# KiCad board Stream.kicad_pcb (continued)
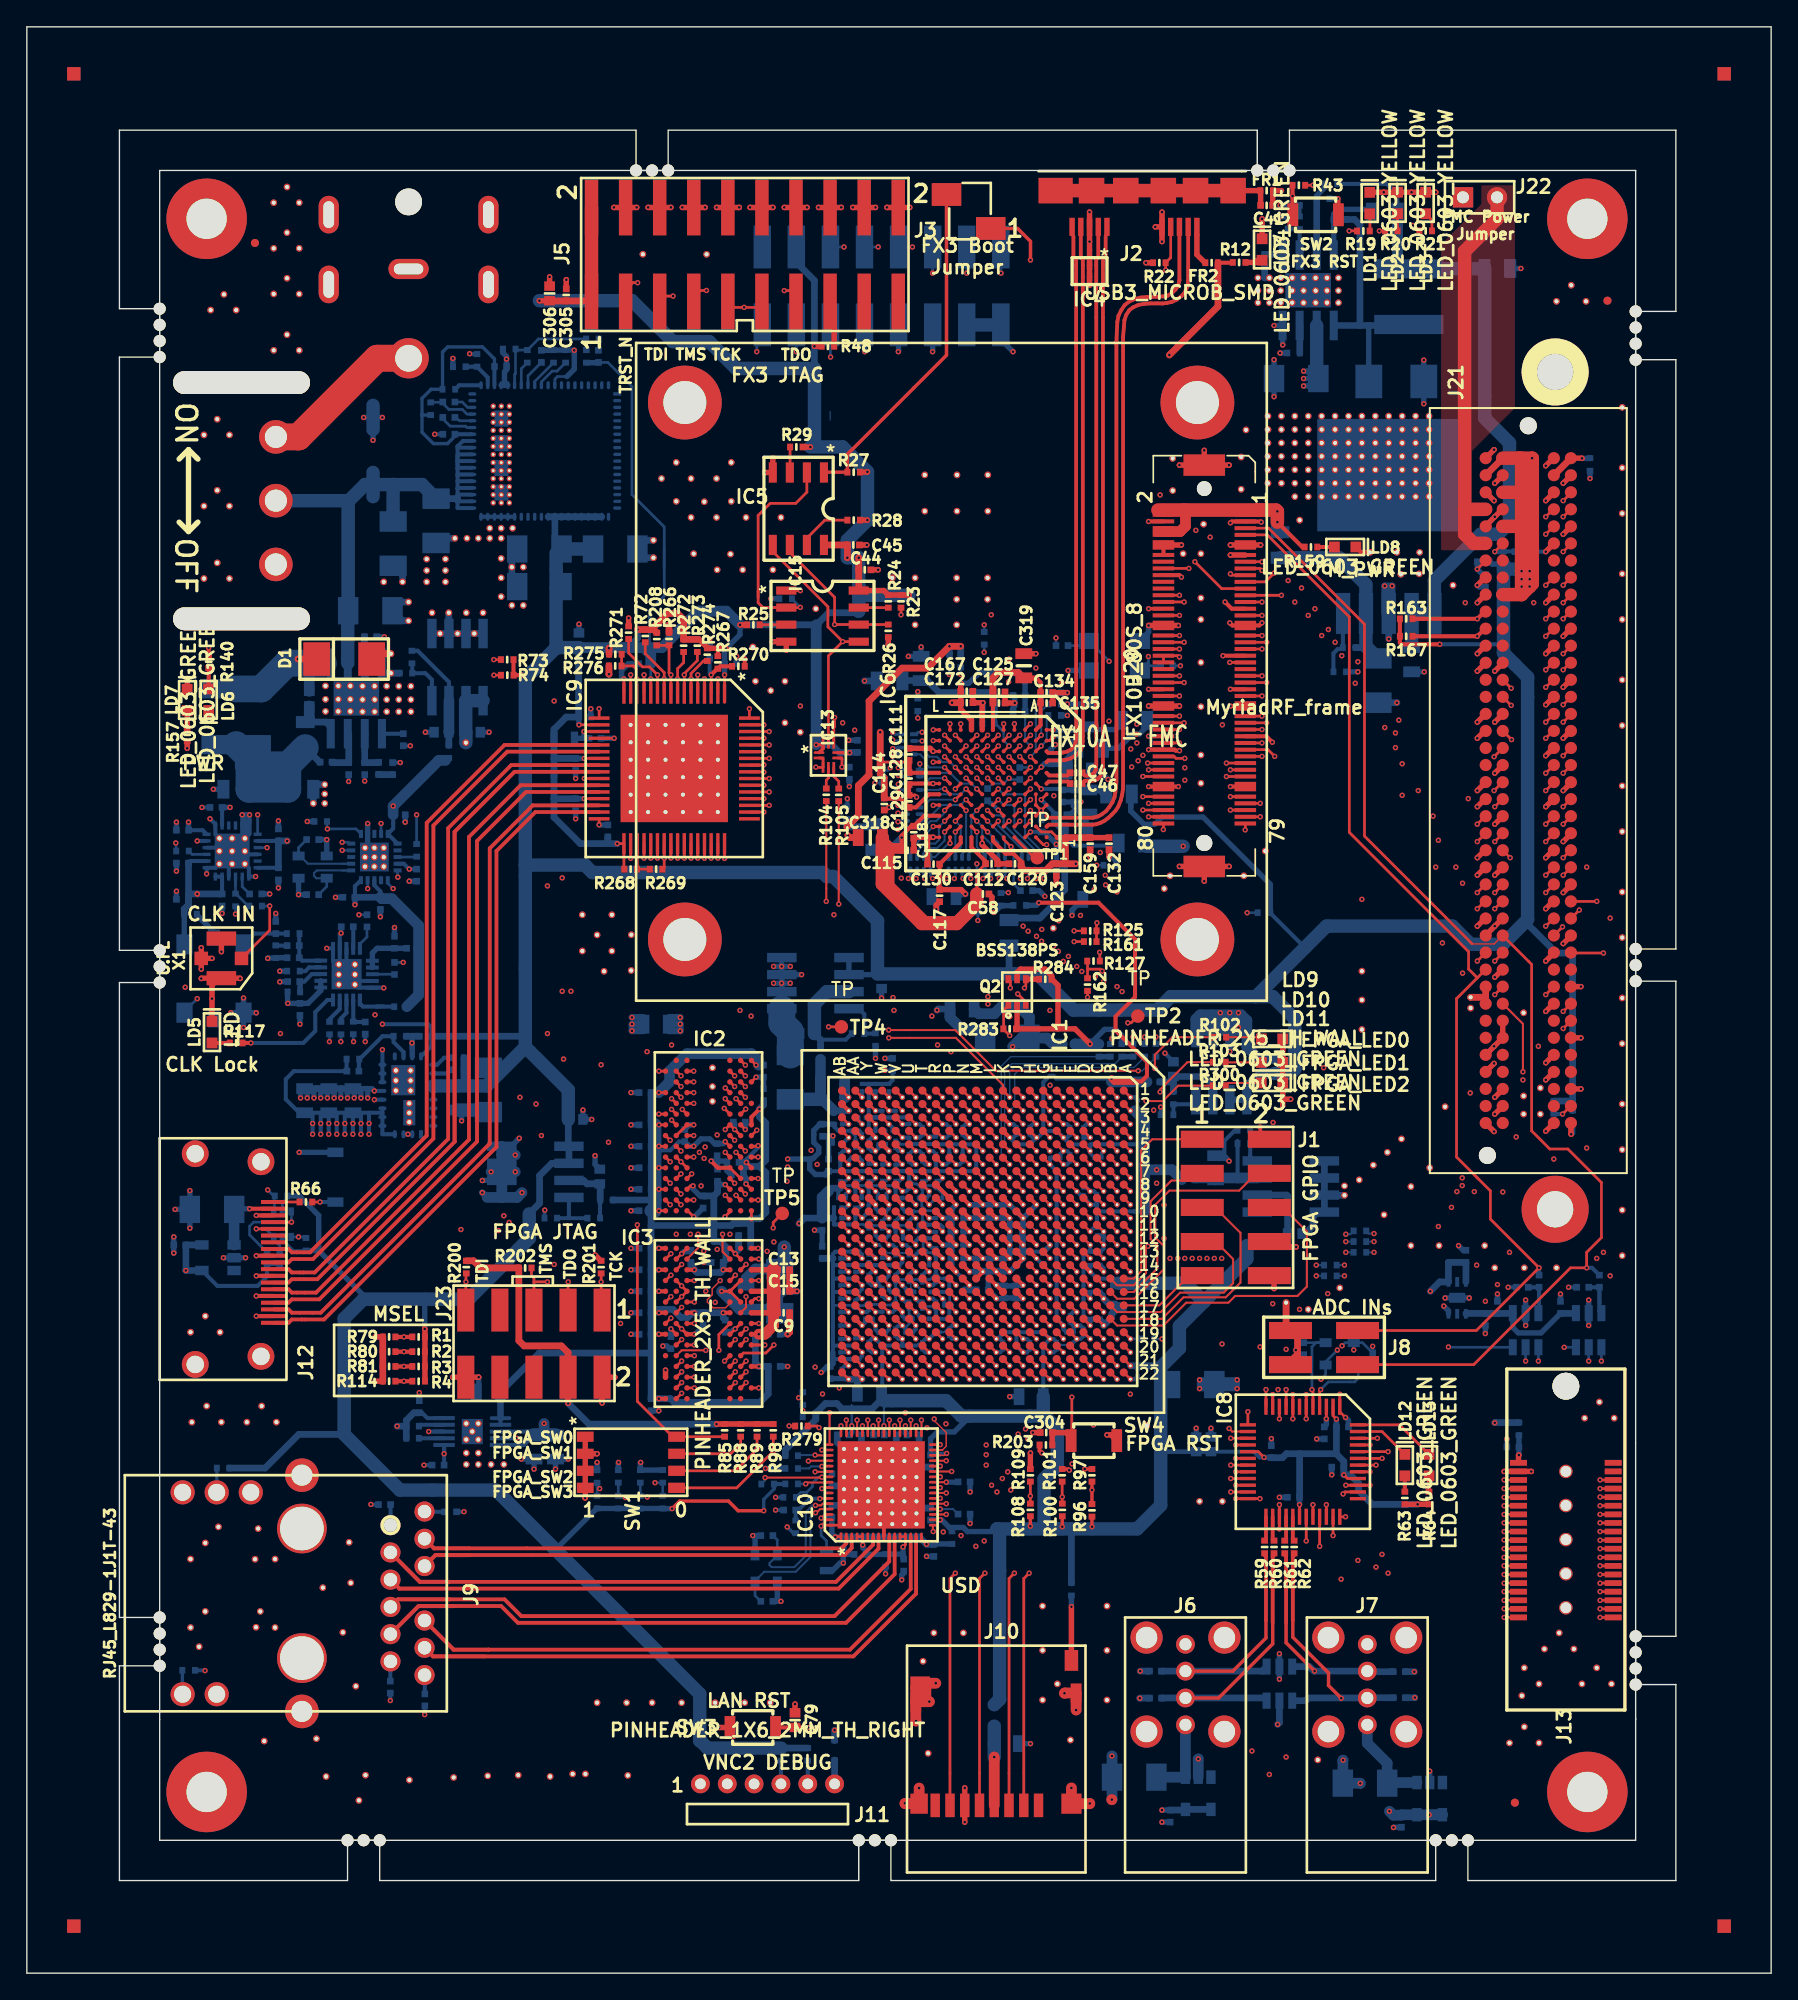
[diagram p0: board, top side]
## Placement (name value [footprint] x y rotation side) (continued)
R72  4K7_0402  [R_SM0402]  46.09 99.62 90 top
R73  4K7_0402  [R_SM0402]  35.8 97.86 0 top
R74  4K7_0402  [R_SM0402]  35.81 96.7 0 top
R75  10K_0402  [R_SM0402]  57 36.45 180 bottom
R76  4K7_0402  [R_SM0402]  57 38.55 0 bottom
R77  4K7_0402  [R_SM0402]  57 37.6 0 bottom
R78  10K_0402  [R_SM0402]  113.8 64.5 90 bottom
R79  0R_0402  [R_SM0402]  27 47.4 0 top
R80  0R_0402  [R_SM0402]  27 46.3 0 top
R81  0R_0402  [R_SM0402]  27 45.2 0 top
R82  4K99_0603  [R_SM0603]  59.6 30.75 90 bottom
R83  220R_0402  [R_SM0402]  14.63 37.63 0 bottom
R84  10K_0402_NF  [R_SM0402]  55.21 36.44 180 bottom
R85  10K_0402  [R_SM0402]  52 40.44 90 top
R86  10K_0402_NF  [R_SM0402]  47.38 35.09 90 bottom
R87  1K_0402  [R_SM0402]  47.39 37.01 270 bottom
R88  10K_0402  [R_SM0402]  53.2 40.44 90 top
R89  10K_0402  [R_SM0402]  54.42 40.44 90 top
R90  10K_0402_NF  [R_SM0402]  45.72 35.08 90 bottom
R91  1K_0402  [R_SM0402]  45.72 37.01 270 bottom
R92  10K_0402_NF  [R_SM0402]  44.07 35.09 90 bottom
R93  1K_0402  [R_SM0402]  44.08 37.01 270 bottom
R94  10K_0402  [R_SM0402]  42.5 35.09 90 bottom
R95  1K_0402_NF  [R_SM0402]  42.5 37 270 bottom
R96  10K_0402_NF  [R_SM0402]  79.38 34.48 90 top
R97  1K_0402  [R_SM0402]  79.38 37.09 270 top
R98  10K_0402  [R_SM0402]  55.63 40.44 90 top
R99  100R_0402_1%  [R_SM0402]  90.7 62.8 180 bottom
R100  10K_0402_NF  [R_SM0402]  77.17 34.51 90 top
R101  1K_0402  [R_SM0402]  77.16 37.09 270 top
R102  22R_0402  [R_SM0402]  88.91 69.73 0 top
R103  22R_0402  [R_SM0402]  88.87 67.87 180 top
R104  0R_0402_NF  [R_SM0402]  59.58 87.79 90 top
R105  0R_0402_NF  [R_SM0402]  60.51 87.78 90 top
R106  10K_0402_NF  [R_SM0402]  58.3 41.44 180 bottom
R107  1K_0402  [R_SM0402]  57.83 42.81 270 bottom
R108  10K_0402_NF  [R_SM0402]  74.79 34.51 90 top
R109  1K_0402  [R_SM0402]  74.79 37.09 270 top
R110  1K_0402  [R_SM0402]  56.85 35.45 0 bottom
R111  470R_0402  [R_SM0402]  19.85 77.45 180 bottom
R112  330R_0402  [R_SM0402]  18.55 76.1 270 bottom
R113  0R_0402  [R_SM0402]  31.45 91 270 bottom
R114  0R_0402  [R_SM0402]  27 44.1 0 top
R115  2K2_0402  [R_SM0402]  56.55 102.4 180 bottom
R116  10R_0402  [R_SM0402]  19.9 73.1 0 bottom
R117  470R_0402  [R_SM0402]  15.6 69.3 0 top
R118  0R_0402  [R_SM0402]  12.2 78.9 180 bottom
R119  0R_0402_NF  [R_SM0402]  29.05 83.65 270 bottom
R120  1K_0402  [R_SM0402]  27.85 72 180 bottom
R121  10K_0402  [R_SM0402]  19.87 74.65 0 bottom
R122  47R_0402  [R_SM0402]  24.33 70.42 90 bottom
R123  47R_0402  [R_SM0402]  23.41 70.41 90 bottom
R124  47R_0402  [R_SM0402]  22.56 70.41 90 bottom
R125  0R_0402_NF  [R_SM0402]  79.25 77.65 180 top
R126  56R_0201  [SM0201]  62.75 55.75 90 bottom
R127  0R_0402_NF  [R_SM0402]  79.5 75.4 0 top
R128  22R_0402  [R_SM0402]  12.06 22.56 180 bottom
R129  10K_0402  [R_SM0402]  77.85 28.6 270 bottom
R130  15K8_0402  [SMD0402]  25.61 99.56 0 bottom
R131  28K_0402  [SMD0402]  26.22 89.76 270 bottom
R132  22K1_0402  [SMD0402]  22.3 90.22 0 bottom
R133  1K_0402  [R_SM0402]  63.25 69.55 270 bottom
R134  1K_0402  [R_SM0402]  84.97 63.95 180 bottom
R135  806R_0402  [R_SM0402]  61.95 70 180 bottom
R136  1K5_0402  [R_SM0402]  85.45 65.2 90 bottom
R137  0R_0402  [R_SM0402]  59.15 68.55 270 bottom
R138  56R_0201  [SM0201]  63.75 59.97 90 bottom
R139  0R_0402  [R_SM0402]  83.95 66.4 180 bottom
R140  470R_0402  [R_SM0402]  13.56 97.7 270 top
R141  10K_0402  [R_SM0402]  28.75 39.85 0 bottom
R142  10K_0402  [R_SM0402]  28.75 40.75 0 bottom
R143  51R_0402  [SMD0402]  112.7 51.55 90 bottom
R144  5K49_0402  [SMD0402]  23.99 89.74 270 bottom
R145  0R_0805  [SM0805]  20.4 88.2 180 bottom
R146  0R_0402_NF  [R_SM0402]  115.2 63.8 270 bottom
R147  10K_0402  [R_SM0402]  92.2 79 0 bottom
R148  10K_0402  [R_SM0402]  20.8 54.3 270 bottom
R149  10K_0402  [R_SM0402]  18.95 57.9 0 bottom
R150  0R_0402  [R_SM0402]  15.55 79.95 270 bottom
R151  0R_0402_NF  [R_SM0402]  17.05 79.5 180 bottom
R152  56R_0201  [SM0201]  61.75 61.75 270 bottom
R153  1K_0402  [R_SM0402]  39.05 56.25 180 bottom
R154  806R_0402  [R_SM0402]  42.25 56.25 0 bottom
R155  0R_0402  [R_SM0402]  43.2 57.6 0 bottom
R156  1K_0402  [R_SM0402]  97.85 96.95 0 bottom
R157  470R_0402  [R_SM0402]  11.95 92.25 90 top
R158  3K_0402  [R_SM0402]  98.55 98.75 0 bottom
R159  750R_0402  [R_SM0402]  95.7 106.25 180 top
R160  0R_0805  [R_SM0805]  93.4 106.4 270 bottom
R161  0R_0402  [R_SM0402]  79.25 76.85 0 top
R162  0R_0402  [R_SM0402]  79.05 73.65 270 top
R163  4K7_0402  [R_SM0402]  102.8 100.9 0 top
R164  10K_0402  [R_SM0402]  32.23 119.68 180 bottom
R165  2K4_0402  [R_SM0402]  33.55 120.15 270 bottom
R166  10K_0402  [R_SM0402]  32.1 67.3 0 bottom
R167  4K7_0402  [R_SM0402]  102.8 99.6 0 top
R168  100K_0402  [R_SM0402]  31.45 118 0 bottom
R169  4K75_0402  [R_SM0402]  30.1 116.55 270 bottom
R170  15K_0402  [R_SM0402]  40.15 120.45 90 bottom
R171  100K_0402  [R_SM0402]  39.25 120.45 270 bottom
R172  56R_0201  [SM0201]  63.75 58.78 90 bottom
R173  56R_0201  [SM0201]  65.75 58.75 270 bottom
R174  56R_0201  [SM0201]  64.35 57.75 180 bottom
R175  75K_0402  [R_SM0402]  41.7 120.45 90 bottom
R176  5K1_0402  [R_SM0402]  42.15 121.75 180 bottom
R177  16K5_0402  [R_SM0402]  35.95 121 180 bottom
R178  56R_0201  [SM0201]  62.75 58.75 90 bottom
R179  100K_0402  [R_SM0402]  32.1 68.2 180 bottom
R180  348K_0402  [R_SM0402]  24.3 68.1 0 bottom
R181  348K_0402  [R_SM0402]  27.8 69.8 0 bottom
R182  56R_0201  [SM0201]  65.55 57.75 0 bottom
R183  56R_0201  [SM0201]  61.75 62.75 0 bottom
R184  56R_0201  [SM0201]  60.43 57.03 0 bottom
R185  56R_0201  [SM0201]  64.75 55.75 90 bottom
R186  56R_0201  [SM0201]  61.75 58.75 90 bottom
R187  56R_0201  [SM0201]  64.75 61.75 270 bottom
R188  56R_0201  [SM0201]  64.25 65.97 270 bottom
R189  0R_0402_NF  [R_SM0402]  99.35 53.7 0 bottom
R190  0R_0402_NF  [R_SM0402]  99.35 55.3 0 bottom
R191  0R_0402_NF  [R_SM0402]  99.35 54.5 0 bottom
R192  0R_0402_NF  [R_SM0402]  97.15 51.95 0 bottom
R193  0R_0402_NF  [R_SM0402]  97.15 52.75 0 bottom
R194  0R_0402_NF  [R_SM0402]  83.55 47.25 180 bottom
R195  10K_0402_NF  [R_SM0402]  110.05 105.45 90 bottom
R196  10K_0402  [R_SM0402]  111.35 105.9 0 bottom
R197  10K_0402_NF  [R_SM0402]  108.55 105.15 180 bottom
R198  10K_0402  [R_SM0402]  108.7 103.75 270 bottom
R199  0R_0402_NF  [R_SM0402]  116.5 112.4 270 bottom
R200  10K_0402  [R_SM0402]  32.75 52.6 90 top
R201  1K_0402  [R_SM0402]  42.8 52.6 270 top
R202  10K_0402  [R_SM0402]  37.14 52.54 180 top
R203  100K_0402  [R_SM0402]  75.95 39.35 180 top
R204  RA4_22R  [Rarray0804]  69.45 82.65 0 bottom
R205  RA4_22R  [Rarray0804]  66.6 82.65 0 bottom
R206  RA4_22R  [Rarray0804]  66.03 86.1 270 bottom
R207  RA4_22R  [Rarray0804]  66.05 88.9 270 bottom
R208  0R_0402  [R_SM0402]  46.95 99.39 90 top
R209  56R_0201  [SM0201]  62.25 63.75 180 bottom
R210  56R_0201  [SM0201]  62.97 62.75 0 bottom
R211  56R_0201  [SM0201]  64.75 59.95 90 bottom
R212  56R_0201  [SM0201]  62.25 65.97 270 bottom
R213  56R_0201  [SM0201]  60.47 63.25 0 bottom
R214  56R_0201  [SM0201]  63.75 63.97 90 bottom
R215  56R_0201  [SM0201]  60.62 60.75 90 bottom
R216  56R_0201  [SM0201]  63.25 65.97 270 bottom
R217  56R_0201  [SM0201]  64.75 58.75 90 bottom
R218  56R_0201  [SM0201]  62.75 60.03 90 bottom
R219  56R_0201  [SM0201]  64.75 63.97 90 bottom
R220  56R_0201  [SM0201]  66.75 57.75 0 bottom
R221  56R_0201  [SM0201]  65.75 61.95 90 bottom
R222  56R_0201  [SM0201]  65.75 63.53 270 bottom
R223  56R_0201  [SM0201]  67.75 60.75 90 bottom
R224  56R_0201  [SM0201]  67.75 62.05 90 bottom
R225  56R_0201  [SM0201]  66.75 58.75 90 bottom
R226  56R_0201  [SM0201]  68.75 60.75 270 bottom
R227  56R_0201  [SM0201]  69.75 60.75 270 bottom
R228  56R_0201  [SM0201]  67.82 58.75 90 bottom
R229  56R_0201  [SM0201]  60.35 50.25 0 bottom
R230  56R_0201  [SM0201]  65.88 50.75 180 bottom
R231  56R_0201  [SM0201]  63.75 53.03 90 bottom
R232  56R_0201  [SM0201]  60.35 53.25 0 bottom
R233  56R_0201  [SM0201]  61.75 50.75 0 bottom
R234  56R_0201  [SM0201]  60.35 52.25 0 bottom
R235  56R_0201  [SM0201]  61.75 51.97 90 bottom
R236  56R_0201  [SM0201]  60.35 51.25 0 bottom
R237  56R_0201  [SM0201]  61.75 53.75 0 bottom
R238  56R_0201  [SM0201]  66.75 54.75 180 bottom
R239  56R_0201  [SM0201]  64.75 52.75 0 bottom
R240  56R_0201  [SM0201]  62.75 53.25 90 bottom
R241  56R_0201  [SM0201]  61.75 49.82 90 bottom
R242  56R_0201  [SM0201]  62.75 56.9 270 bottom
R243  56R_0201  [SM0201]  67.07 50.75 180 bottom
R244  56R_0201  [SM0201]  62.75 49.68 270 bottom
R245  56R_0201  [SM0201]  66.75 51.72 90 bottom
R246  56R_0201  [SM0201]  63.75 49.55 270 bottom
R247  56R_0201  [SM0201]  67.75 49.75 90 bottom
R248  56R_0201  [SM0201]  60.35 47.25 0 bottom
R249  56R_0201  [SM0201]  66.95 48.75 180 bottom
R250  56R_0201  [SM0201]  61.75 47.03 90 bottom
R251  56R_0201  [SM0201]  68.65 49.75 180 bottom
R252  56R_0201  [SM0201]  61.75 45.75 0 bottom
R253  56R_0201  [SM0201]  60.35 49.25 0 bottom
R254  56R_0201  [SM0201]  66.75 49.75 90 bottom
R255  56R_0201  [SM0201]  65.75 51.75 90 bottom
R256  56R_0201  [SM0201]  66.75 53.75 180 bottom
R257  56R_0201  [SM0201]  67.53 52.75 180 bottom
R258  56R_0201  [SM0201]  67.75 54.95 90 bottom
R259  56R_0201  [SM0201]  67.75 56.53 270 bottom
R260  56R_0201  [SM0201]  67.95 57.75 180 bottom
R261  56R_0201  [SM0201]  63.15 57.75 0 bottom
R262  56R_0201  [SM0201]  67.75 53.75 90 bottom
R263  56R_0201  [SM0201]  60.43 56.25 0 bottom
R264  10K_0402  [R_SM0402]  56.2 16.3 90 bottom
R265  10K_0402  [R_SM0402]  58.2 16.3 90 bottom
R266  0R_0402_NF  [R_SM0402]  47.86 99.4 90 top
R267  10K_0402  [R_SM0402]  51.5 97.65 90 top
R268  0R_0402_NF  [R_SM0402]  45 82.25 180 top
R269  0R_0402  [R_SM0402]  46.9 82.25 0 top
R270  3K9_0402  [R_SM0402]  53.03 97.36 180 top
R271  4K7_0402  [R_SM0402]  44.85 99.87 270 top
R272  0R_0402_NF  [R_SM0402]  48.95 98.9 90 top
R273  0R_0402_NF  [R_SM0402]  49.97 98.9 90 top
R274  0R_0402_NF  [R_SM0402]  50.71 98.23 90 top
R275  0R_0402  [R_SM0402]  43.86 98.26 180 top
R276  0R_0402_NF  [R_SM0402]  43.85 97.39 180 top
R277  0R_0402_NF  [R_SM0402]  21.9 85.8 180 bottom
R278  0R_0402  [R_SM0402]  11.6 83.6 180 bottom
R279  0R_0402  [R_SM0402]  57.73 40.76 180 top
R280  200R/1%_0402  [R_SM0402]  90.7 61.8 0 bottom
R281  0R_0402  [R_SM0402]  86.55 59.1 180 bottom
R282  33K_0402  [R_SM0402]  37.3 120.45 270 bottom
R283  4K7_0402  [R_SM0402]  73.25 70.35 0 top
R284  4K7_0402  [R_SM0402]  75.9 74.05 0 top
R300  22R_0402  [R_SM0402]  88.87 66.12 0 top
SW1  SW_DIP_4POLES  [SW_DIP_4poles]  45.02 38.06 270 top
SW2  SW_TACTILE  [SW_B3U-1000P]  96.05 131 180 top
SW3  SW_TACTILE  [SW_B3U-1000P]  54.1 18.3 180 top
SW4  SW_TACTILE  [SW_B3U-1000P]  79.53 39.68 180 top
SW5  SW_ON-OFF  [Switch_On_Off]  21.1 109.7 270 bottom
TP1  TP  [TestPoint]  75.3 83.1 0 top
TP2  TP  [TestPoint]  82.8 71.3 0 top
TP4  TP  [TestPoint]  60.7 70.5 0 top
TP5  TP  [TestPoint]  56.3 56.6 0 top
U2  ADF4002  [LFCSP 20]  23.83 74.42 270 bottom
U3  SC4524  [SOIC-8#2]  24.55 94.94 270 bottom
U4  NCP380HSN05AAT1G  [5-TSOP]  87.3 13.4 180 bottom
U5  NCP380HSN05AAT1G  [5-TSOP]  104.55 13 180 bottom
U6  NCP380HSN05AAT1G  [5-TSOP]  14.25 53.3 90 bottom
U7  SC4524  [SOIC-8#2]  95.5 125.4 90 bottom
U8  LP5900SD-3.3  [SC70]  106.6 50.3 90 bottom
U9  ADCS7476AIMF  [SOT-23-6]  116.4 47.9 0 bottom
U10  ADCS7476AIMF  [SOT-23-6]  111.7 47.9 0 bottom
X1  -  [U.FL]  14.5 75.6 90 top
XO1  TCXO_19.2MHZ  [XO19.2MHz]  81.05 98.15 0 bottom
XO2  TCXO_12MHZ_7M  [4-SMD_TCXO]  97.84 46.14 180 bottom
XO3  TCXO_25MHZ_ABM8  [4-SMD_TCXO]  55.1 30.15 270 bottom
XO4  TCXO_25MHZ_ABM8  [4-SMD_TCXO]  21.3 82.4 180 bottom
XO5  RACON_TXCO_PLUTO+  [SMD_TXCO_Pluto+]  13.95 74.1 90 bottom

## Library data of the parts
J22 = -: Field4: +5V

## Footprints (pads in the part's own frame, mm; a bottom-side part is the same pattern mirrored in y, then rotated)
4-SMD_TCXO
  rect 0.9x0.66 smd: 1(-1.05,-0.83) 2(1.05,-0.83) 3(1.05,0.83) 4(-1.05,0.83)
5-TSOP
  rect 0.7x1 smd: 1(0.95,1.2) 2(0,1.2) 3(-0.95,1.2) 4(-0.95,-1.2) 5(0.95,-1.2)
6.3mm_Al_cap
  oval 1x2.8 smd: 1(0,2.5) 2(0,-2.5)
10UQFN
  oval 0.2x0.8 smd: 1(-0.2,-0.7)
  rect 0.2x0.8 smd: 2(0.2,-0.7) 6(0.2,0.7) 7(-0.2,0.7)
  rect 0.8x0.2 smd: 3(0.9,-0.4) 4(0.9,0) 5(0.9,0.4) 8(-0.9,0.4) 9(-0.9,0) 10(-0.9,-0.4)
24LLP
  rect 0.6x0.25 smd: 1(-1.9,1.25) 2(-1.9,0.75) 3(-1.9,0.25) 4(-1.9,-0.25) 5(-1.9,-0.75) 6(-1.9,-1.25) 13(1.9,-1.25) 14(1.9,-0.75) 15(1.9,-0.25) 16(1.9,0.25) 17(1.9,0.75) 18(1.9,1.25)
  rect 0.25x0.6 smd: 7(-1.25,-1.9) 8(-0.75,-1.9) 9(-0.25,-1.9) 10(0.25,-1.9) 11(0.75,-1.9) 12(1.25,-1.9) 19(1.25,1.9) 20(0.75,1.9) 21(0.25,1.9) 22(-0.25,1.9) 23(-0.75,1.9) 24(-1.25,1.9)
  rect 2.6x2.6 smd: 25(0,0)
48-LQFP
  rect 1.2x0.25 smd: 1(-4.1,2.75) 2(-4.1,2.25) 3(-4.1,1.75) 4(-4.1,1.25) 5(-4.1,0.75) 6(-4.1,0.25) 7(-4.1,-0.25) 8(-4.1,-0.75) 9(-4.1,-1.25) 10(-4.1,-1.75) 11(-4.1,-2.25) 12(-4.1,-2.75) 25(4.1,-2.75) 26(4.1,-2.25) 27(4.1,-1.75) 28(4.1,-1.25) 29(4.1,-0.75) 30(4.1,-0.25) 31(4.1,0.25) 32(4.1,0.75) 33(4.1,1.25) 34(4.1,1.75) 35(4.1,2.25) 36(4.1,2.75)
  rect 0.25x1.2 smd: 13(-2.75,-4.1) 14(-2.25,-4.1) 15(-1.75,-4.1) 16(-1.25,-4.1) 17(-0.75,-4.1) 18(-0.25,-4.1) 19(0.25,-4.1) 20(0.75,-4.1) 21(1.25,-4.1) 22(1.75,-4.1) 23(2.25,-4.1) 24(2.75,-4.1) 37(2.75,4.1) 38(2.25,4.1) 39(1.75,4.1) 40(1.25,4.1) 41(0.75,4.1) 42(0.25,4.1) 43(-0.25,4.1) 44(-0.75,4.1) 45(-1.25,4.1) 46(-1.75,4.1) 47(-2.25,4.1) 48(-2.75,4.1)
64-TQFP
  oval 1.55x0.25 smd: 1(-5.6,3.75)
  rect 1.55x0.25 smd: 2(-5.6,3.25) 3(-5.6,2.75) 4(-5.6,2.25) 5(-5.6,1.75) 6(-5.6,1.25) 7(-5.6,0.75) 8(-5.6,0.25) 9(-5.6,-0.25) 10(-5.6,-0.75) 11(-5.6,-1.25) 12(-5.6,-1.75) 13(-5.6,-2.25) 14(-5.607,-2.799) 15(-5.6,-3.25) 16(-5.6,-3.75) 33(5.6,-3.75) 34(5.6,-3.25) 35(5.6,-2.75) 36(5.6,-2.25) 37(5.6,-1.75) 38(5.6,-1.25) 39(5.6,-0.75) 40(5.6,-0.25) 41(5.6,0.25) 42(5.6,0.75) 43(5.6,1.25) 44(5.6,1.75) 45(5.6,2.25) 46(5.6,2.75) 47(5.6,3.25) 48(5.6,3.75)
  rect 0.25x1.55 smd: 17(-3.75,-5.6) 18(-3.25,-5.6) 19(-2.75,-5.6) 20(-2.25,-5.6) 21(-1.75,-5.6) 22(-1.25,-5.6) 23(-0.75,-5.6) 24(-0.25,-5.6) 25(0.25,-5.6) 26(0.75,-5.6) 27(1.25,-5.6) 28(1.75,-5.6) 29(2.25,-5.6) 30(2.75,-5.6) 31(3.25,-5.6) 32(3.75,-5.6) 49(3.75,5.6) 50(3.25,5.6) 51(2.75,5.6) 52(2.25,5.6) 53(1.75,5.6) 54(1.25,5.6) 55(0.75,5.6) 56(0.25,5.6) 57(-0.25,5.6) 58(-0.75,5.6) 59(-1.25,5.6) 60(-1.75,5.6) 61(-2.25,5.6) 62(-2.75,5.6) 63(-3.25,5.6) 64(-3.75,5.6)
  round 0.5 hole 0.3: 65(-3.25,3.25) 65(-3.25,1.95) 65(-3.25,0.65) 65(-3.25,-0.65) 65(-3.25,-1.95) 65(-3.25,-3.25) 65(-1.95,3.25) 65(-1.95,1.95) 65(-1.95,0.65) 65(-1.95,-0.65) 65(-1.95,-1.95) 65(-1.95,-3.25) 65(-0.65,3.25) 65(-0.65,1.95) 65(-0.65,0.65) 65(-0.65,-0.65) 65(-0.65,-1.95) 65(-0.65,-3.25) 65(0.65,3.25) 65(0.65,1.95) 65(0.65,0.65) 65(0.65,-0.65) 65(0.65,-1.95) 65(0.65,-3.25) 65(1.95,3.25) 65(1.95,1.95) 65(1.95,0.65) 65(1.95,-0.65) 65(1.95,-1.95) 65(1.95,-3.25) 65(3.25,3.25) 65(3.25,1.95) 65(3.25,0.65) 65(3.25,-0.65) 65(3.25,-1.95) 65(3.25,-3.25)
  rect 5x5 smd: 65(0,0.003)
  rect 8x8 smd: 65(0,0)
84WBGA
  round 0.4 smd: A1(-3.2,5.6) A2(-2.4,5.6) A3(-1.6,5.6) A7(1.6,5.6) A8(2.4,5.6) A9(3.2,5.6) B1(-3.2,4.8) B2(-2.4,4.8) B3(-1.6,4.8) B7(1.6,4.8) B8(2.4,4.8) B9(3.2,4.8) C1(-3.2,4) C2(-2.4,4) C3(-1.6,4) C7(1.6,4) C8(2.4,4) C9(3.2,4) D1(-3.2,3.2) D2(-2.4,3.2) D3(-1.6,3.2) D7(1.6,3.2) D8(2.4,3.2) D9(3.2,3.2) E1(-3.2,2.4) E2(-2.4,2.4) E3(-1.6,2.4) E7(1.6,2.4) E8(2.4,2.4) E9(3.2,2.4) F1(-3.2,1.6) F2(-2.4,1.6) F3(-1.6,1.6) F7(1.6,1.6) F8(2.4,1.6) F9(3.2,1.6) G1(-3.2,0.8) G2(-2.4,0.8) G3(-1.6,0.8) G7(1.6,0.8) G8(2.4,0.8) G9(3.2,0.8) H1(-3.2,0) H2(-2.4,0) H3(-1.6,0) H7(1.6,0) H8(2.4,0) H9(3.2,0) J1(-3.2,-0.8) J2(-2.4,-0.8) J3(-1.6,-0.8) J7(1.6,-0.8) J8(2.4,-0.8) J9(3.2,-0.8) K2(-2.4,-1.6) K3(-1.6,-1.6) K7(1.6,-1.6) K8(2.4,-1.6) K9(3.2,-1.6) L1(-3.2,-2.4) L2(-2.4,-2.4) L3(-1.6,-2.4) L7(1.6,-2.4) L8(2.4,-2.4) M2(-2.4,-3.2) M3(-1.6,-3.2) M7(1.6,-3.2) M8(2.4,-3.2) M9(3.2,-3.2) N1(-3.2,-4) N2(-2.4,-4) N3(-1.6,-4) N7(1.6,-4) N8(2.4,-4) P2(-2.4,-4.8) P3(-1.6,-4.8) P7(1.6,-4.8) P8(2.4,-4.8) P9(3.2,-4.8) R1(-3.2,-5.6) R2(-2.4,-5.6) R3(-1.6,-5.6) R7(1.6,-5.6) R8(2.4,-5.6)
AMP_Mictor38
  round 2 hole 2 unplated: (11.43,0)
  rect 0.43x1.27 smd: 1(5.72,3.53) 2(5.72,-3.53) 3(5.08,3.53) 4(5.08,-3.53) 5(4.44,3.53) 6(4.44,-3.53) 7(3.8,3.53) 8(3.8,-3.53) 9(3.16,3.53) 10(3.16,-3.53) 11(2.52,3.53) 12(2.52,-3.53) 13(1.88,3.53) 14(1.88,-3.53) 15(1.24,3.53) 16(1.24,-3.53) 17(0.6,3.53) 18(0.6,-3.53) 19(-0.04,3.53) 20(-0.04,-3.53) 21(-0.68,3.53) 22(-0.68,-3.53) 23(-1.32,3.53) 24(-1.32,-3.53) 25(-1.96,3.53) 26(-1.96,-3.53) 27(-2.6,3.53) 28(-2.6,-3.53) 29(-3.24,3.53) 30(-3.24,-3.53) 31(-3.88,3.53) 32(-3.88,-3.53) 33(-4.52,3.53) 34(-4.52,-3.53) 35(-5.16,3.53) 36(-5.16,-3.53) 37(-5.8,3.53) 38(-5.8,-3.53)
  round 1 hole 0.81: gnd(-5.08,0) gnd(-2.54,0) gnd(0,0) gnd(2.54,0) gnd(5.08,0)
BreakHole
  round 0.9 hole 0.9 unplated: (0,0)
C_SM0402
  rect 0.495x0.495 smd: 1(-0.45,0) 2(0.45,0)
C_SM0603
  rect 0.699x0.798 smd: 1(-0.546,0) 2(0.546,0)
C_SM0805
  rect 0.8x1.25 smd: 1(-0.9,0) 2(0.9,0)
D2PAK-5
  rect 3.05x1.07 smd: 1(0,-3.4) 2(0,-1.7) 3(0,0) 4(0,1.7) 5(0,3.4)
  rect 8.38x10.66 smd: DAP(-10.305,0)
FBGA484
  round 0.6 smd: A1(-10.5,10.5) A2(-9.5,10.5) A3(-8.5,10.5) A4(-7.5,10.5) A5(-6.5,10.5) A6(-5.5,10.5) A7(-4.5,10.5) A8(-3.5,10.5) A9(-2.5,10.5) A10(-1.5,10.5) A11(-0.5,10.5) A12(0.5,10.5) A13(1.5,10.5) A14(2.5,10.5) A15(3.5,10.5) A16(4.5,10.5) A17(5.5,10.5) A18(6.5,10.5) A19(7.5,10.5) A20(8.5,10.5) A21(9.5,10.5) A22(10.5,10.5) AA1(-10.5,-9.5) AA2(-9.5,-9.5) AA3(-8.5,-9.5) AA4(-7.5,-9.5) AA5(-6.5,-9.5) AA6(-5.5,-9.5) AA7(-4.5,-9.5) AA8(-3.5,-9.5) AA9(-2.5,-9.5) AA10(-1.5,-9.5) AA11(-0.5,-9.5) AA12(0.5,-9.5) AA13(1.5,-9.5) AA14(2.5,-9.5) AA15(3.5,-9.5) AA16(4.5,-9.5) AA17(5.5,-9.5) AA18(6.5,-9.5) AA19(7.5,-9.5) AA20(8.5,-9.5) AA21(9.5,-9.5) AA22(10.5,-9.5) AB1(-10.5,-10.5) AB2(-9.5,-10.5) AB3(-8.5,-10.5) AB4(-7.5,-10.5) AB5(-6.5,-10.5) AB6(-5.5,-10.5) AB7(-4.5,-10.5) AB8(-3.5,-10.5) AB9(-2.5,-10.5) AB10(-1.5,-10.5) AB11(-0.5,-10.5) AB12(0.5,-10.5) AB13(1.5,-10.5) AB14(2.5,-10.5) AB15(3.5,-10.5) AB16(4.5,-10.5) AB17(5.5,-10.5) AB18(6.5,-10.5) AB19(7.5,-10.5) AB20(8.5,-10.5) AB21(9.5,-10.5) AB22(10.5,-10.5) B1(-10.5,9.5) B2(-9.5,9.5) B3(-8.5,9.5) B4(-7.5,9.5) B5(-6.5,9.5) B6(-5.5,9.5) B7(-4.5,9.5) B8(-3.5,9.5) B9(-2.5,9.5) B10(-1.5,9.5) B11(-0.5,9.5) B12(0.5,9.5) B13(1.5,9.5) B14(2.5,9.5) B15(3.5,9.5) B16(4.5,9.5) B17(5.5,9.5) B18(6.5,9.5) B19(7.5,9.5) B20(8.5,9.5) B21(9.5,9.5) B22(10.5,9.5) C1(-10.5,8.5) C2(-9.5,8.5) C3(-8.5,8.5) C4(-7.5,8.5) C5(-6.5,8.5) C6(-5.5,8.5) C7(-4.5,8.5) C8(-3.5,8.5) C9(-2.5,8.5) C10(-1.5,8.5) C11(-0.5,8.5) C12(0.5,8.5) C13(1.5,8.5) C14(2.5,8.5) C15(3.5,8.5) C16(4.5,8.5) C17(5.5,8.5) C18(6.5,8.5) C19(7.5,8.5) C20(8.5,8.5) C21(9.5,8.5) C22(10.5,8.5) D1(-10.5,7.5) D2(-9.5,7.5) D3(-8.5,7.5) D4(-7.5,7.5) D5(-6.5,7.5) D6(-5.5,7.5) D7(-4.5,7.5) D8(-3.5,7.5) D9(-2.5,7.5) D10(-1.5,7.5) D11(-0.5,7.5) D12(0.5,7.5) D13(1.5,7.5) D14(2.5,7.5) D15(3.5,7.5) D16(4.5,7.5) D17(5.5,7.5) D18(6.5,7.5) D19(7.5,7.5) D20(8.5,7.5) D21(9.5,7.5) D22(10.5,7.5) E1(-10.5,6.5) E2(-9.5,6.5) E3(-8.5,6.5) E4(-7.5,6.5) E5(-6.5,6.5) E6(-5.5,6.5) E7(-4.5,6.5) E8(-3.5,6.5) E9(-2.5,6.5) E10(-1.5,6.5) E11(-0.5,6.5) E12(0.5,6.5) E13(1.5,6.5) E14(2.5,6.5) E15(3.5,6.5) E16(4.5,6.5) E17(5.5,6.5) E18(6.5,6.5) E19(7.5,6.5) E20(8.5,6.5) E21(9.5,6.5) E22(10.5,6.5) F1(-10.5,5.5) F2(-9.5,5.5) F3(-8.5,5.5) F4(-7.5,5.5) F5(-6.5,5.5) F6(-5.5,5.5) F7(-4.5,5.5) F8(-3.5,5.5) F9(-2.5,5.5) F10(-1.5,5.5) F11(-0.5,5.5) F12(0.5,5.5) F13(1.5,5.5) F14(2.5,5.5) F15(3.5,5.5) F16(4.5,5.5) F17(5.5,5.5) F18(6.5,5.5) F19(7.5,5.5) F20(8.5,5.5) F21(9.5,5.5) F22(10.5,5.5) G1(-10.5,4.5) G2(-9.5,4.5) G3(-8.5,4.5) G4(-7.5,4.5) G5(-6.5,4.5) G6(-5.5,4.5) G7(-4.5,4.5) G8(-3.5,4.5) G9(-2.5,4.5) G10(-1.5,4.5) G11(-0.5,4.5) G12(0.5,4.5) G13(1.5,4.5) G14(2.5,4.5) G15(3.5,4.5) G16(4.5,4.5) G17(5.5,4.5) G18(6.5,4.5) G19(7.5,4.5) G20(8.5,4.5) G21(9.5,4.5) G22(10.5,4.5) H1(-10.5,3.5) H2(-9.5,3.5) H3(-8.5,3.5) H4(-7.5,3.5) H5(-6.5,3.5) H6(-5.5,3.5) H7(-4.5,3.5) H8(-3.5,3.5) H9(-2.5,3.5) H10(-1.5,3.5) H11(-0.5,3.5) H12(0.5,3.5) H13(1.5,3.5) H14(2.5,3.5) H15(3.5,3.5) H16(4.5,3.5) H17(5.5,3.5) H18(6.5,3.5) H19(7.5,3.5) H20(8.5,3.5) H21(9.5,3.5) H22(10.5,3.5) J1(-10.5,2.5) J2(-9.5,2.5) J3(-8.5,2.5) J4(-7.5,2.5) J5(-6.5,2.5) J6(-5.5,2.5) J7(-4.5,2.5) J8(-3.5,2.5) J9(-2.5,2.5) J10(-1.5,2.5) J11(-0.5,2.5) J12(0.5,2.5) J13(1.5,2.5) J14(2.5,2.5) J15(3.5,2.5) J16(4.5,2.5) J17(5.5,2.5) J18(6.5,2.5) J19(7.5,2.5) J20(8.5,2.5) J21(9.5,2.5) J22(10.5,2.5) K1(-10.5,1.5) K2(-9.5,1.5) K3(-8.5,1.5) K4(-7.5,1.5) K5(-6.5,1.5) K6(-5.5,1.5) K7(-4.5,1.5) K8(-3.5,1.5) K9(-2.5,1.5) K10(-1.5,1.5) K11(-0.5,1.5) K12(0.5,1.5) K13(1.5,1.5) K14(2.5,1.5) K15(3.5,1.5) K16(4.5,1.5) K17(5.5,1.5) K18(6.5,1.5) K19(7.5,1.5) K20(8.5,1.5) K21(9.5,1.5) K22(10.5,1.5) L1(-10.5,0.5) L2(-9.5,0.5) L3(-8.5,0.5) L4(-7.5,0.5) L5(-6.5,0.5) L6(-5.5,0.5) L7(-4.5,0.5) L8(-3.5,0.5) L9(-2.5,0.5) L10(-1.5,0.5) L11(-0.5,0.5) L12(0.5,0.5) L13(1.5,0.5) L14(2.5,0.5) L15(3.5,0.5) L16(4.5,0.5) L17(5.5,0.5) L18(6.5,0.5) L19(7.5,0.5) L20(8.5,0.5) L21(9.5,0.5) L22(10.5,0.5) M1(-10.5,-0.5) M2(-9.5,-0.5) M3(-8.5,-0.5) M4(-7.5,-0.5) M5(-6.5,-0.5) M6(-5.5,-0.5) M7(-4.5,-0.5) M8(-3.5,-0.5) M9(-2.5,-0.5) M10(-1.5,-0.5) M11(-0.5,-0.5) M12(0.5,-0.5) M13(1.5,-0.5) M14(2.5,-0.5) M15(3.5,-0.5) M16(4.5,-0.5) M17(5.5,-0.5) M18(6.5,-0.5) M19(7.5,-0.5) M20(8.5,-0.5) M21(9.5,-0.5) M22(10.5,-0.5) N1(-10.5,-1.5) N2(-9.5,-1.5) N3(-8.5,-1.5) N4(-7.5,-1.5) N5(-6.5,-1.5) N6(-5.5,-1.5) N7(-4.5,-1.5) N8(-3.5,-1.5) N9(-2.5,-1.5) N10(-1.5,-1.5) N11(-0.5,-1.5) N12(0.5,-1.5) N13(1.5,-1.5) N14(2.5,-1.5) N15(3.5,-1.5) N16(4.5,-1.5) N17(5.5,-1.5) N18(6.5,-1.5) N19(7.5,-1.5) N20(8.5,-1.5) N21(9.5,-1.5) N22(10.5,-1.5) P1(-10.5,-2.5) P2(-9.5,-2.5) P3(-8.5,-2.5) P4(-7.5,-2.5) P5(-6.5,-2.5) P6(-5.5,-2.5) P7(-4.5,-2.5) P8(-3.5,-2.5) P9(-2.5,-2.5) P10(-1.5,-2.5) P11(-0.5,-2.5) P12(0.5,-2.5) P13(1.5,-2.5) P14(2.5,-2.5) P15(3.5,-2.5) P16(4.5,-2.5) P17(5.5,-2.5) P18(6.5,-2.5) P19(7.5,-2.5) P20(8.5,-2.5) P21(9.5,-2.5) P22(10.5,-2.5) R1(-10.5,-3.5) R2(-9.5,-3.5) R3(-8.5,-3.5) R4(-7.5,-3.5) R5(-6.5,-3.5) R6(-5.5,-3.5) R7(-4.5,-3.5) R8(-3.5,-3.5) R9(-2.5,-3.5) R10(-1.5,-3.5) R11(-0.5,-3.5) R12(0.5,-3.5) R13(1.5,-3.5) R14(2.5,-3.5) R15(3.5,-3.5) R16(4.5,-3.5) R17(5.5,-3.5) R18(6.5,-3.5) R19(7.5,-3.5) R20(8.5,-3.5) R21(9.5,-3.5) R22(10.5,-3.5) T1(-10.5,-4.5) T2(-9.5,-4.5) T3(-8.5,-4.5) T4(-7.5,-4.5) T5(-6.5,-4.5) T6(-5.5,-4.5) T7(-4.5,-4.5) T8(-3.5,-4.5) T9(-2.5,-4.5) T10(-1.5,-4.5) T11(-0.5,-4.5) T12(0.5,-4.5) T13(1.5,-4.5) T14(2.5,-4.5) T15(3.5,-4.5) T16(4.5,-4.5) T17(5.5,-4.5) T18(6.5,-4.5) T19(7.5,-4.5) T20(8.5,-4.5) T21(9.5,-4.5) T22(10.5,-4.5) U1(-10.5,-5.5) U2(-9.5,-5.5) U3(-8.5,-5.5) U4(-7.5,-5.5) U5(-6.5,-5.5) U6(-5.5,-5.5) U7(-4.5,-5.5) U8(-3.5,-5.5) U9(-2.5,-5.5) U10(-1.5,-5.5) U11(-0.5,-5.5) U12(0.5,-5.5) U13(1.5,-5.5) U14(2.5,-5.5) U15(3.5,-5.5) U16(4.5,-5.5) U17(5.5,-5.5) U18(6.5,-5.5) U19(7.5,-5.5) U20(8.5,-5.5) U21(9.5,-5.5) U22(10.5,-5.5) V1(-10.5,-6.5) V2(-9.5,-6.5) V3(-8.5,-6.5) V4(-7.5,-6.5) V5(-6.5,-6.5) V6(-5.5,-6.5) V7(-4.5,-6.5) V8(-3.5,-6.5) V9(-2.5,-6.5) V10(-1.5,-6.5) V11(-0.5,-6.5) V12(0.5,-6.5) V13(1.5,-6.5) V14(2.5,-6.5) V15(3.5,-6.5) V16(4.5,-6.5) V17(5.5,-6.5) V18(6.5,-6.5) V19(7.5,-6.5) V20(8.5,-6.5) V21(9.5,-6.5) V22(10.5,-6.5) W1(-10.5,-7.5) W2(-9.5,-7.5) W3(-8.5,-7.5) W4(-7.5,-7.5) W5(-6.5,-7.5) W6(-5.5,-7.5) W7(-4.5,-7.5) W8(-3.5,-7.5) W9(-2.5,-7.5) W10(-1.5,-7.5) W11(-0.5,-7.5) W12(0.5,-7.5) W13(1.5,-7.5) W14(2.5,-7.5) W15(3.5,-7.5) W16(4.5,-7.5) W17(5.5,-7.5) W18(6.5,-7.5) W19(7.5,-7.5) W20(8.5,-7.5) W21(9.5,-7.5) W22(10.5,-7.5) Y1(-10.5,-8.5) Y2(-9.5,-8.5) Y3(-8.5,-8.5) Y4(-7.5,-8.5) Y5(-6.5,-8.5) Y6(-5.5,-8.5) Y7(-4.5,-8.5) Y8(-3.5,-8.5) Y9(-2.5,-8.5) Y10(-1.5,-8.5) Y11(-0.5,-8.5) Y12(0.5,-8.5) Y13(1.5,-8.5) Y14(2.5,-8.5) Y15(3.5,-8.5) Y16(4.5,-8.5) Y17(5.5,-8.5) Y18(6.5,-8.5) Y19(7.5,-8.5) Y20(8.5,-8.5) Y21(9.5,-8.5) Y22(10.5,-8.5)